# Altium PCB Coral Dev Board Micro.PcbDoc (part 2 of 6)
Units mm, origin at the board's own origin, x right, y up, seen from the top; angles counter-clockwise.
Board outline 65 x 30 mm, 8 copper layers (Top Layer, L2, L3, L4, L5, L6, L7, Bottom Layer), stack 1.582 mm thick; 356 components, 316 nets, 1515 pads, 809 vias.
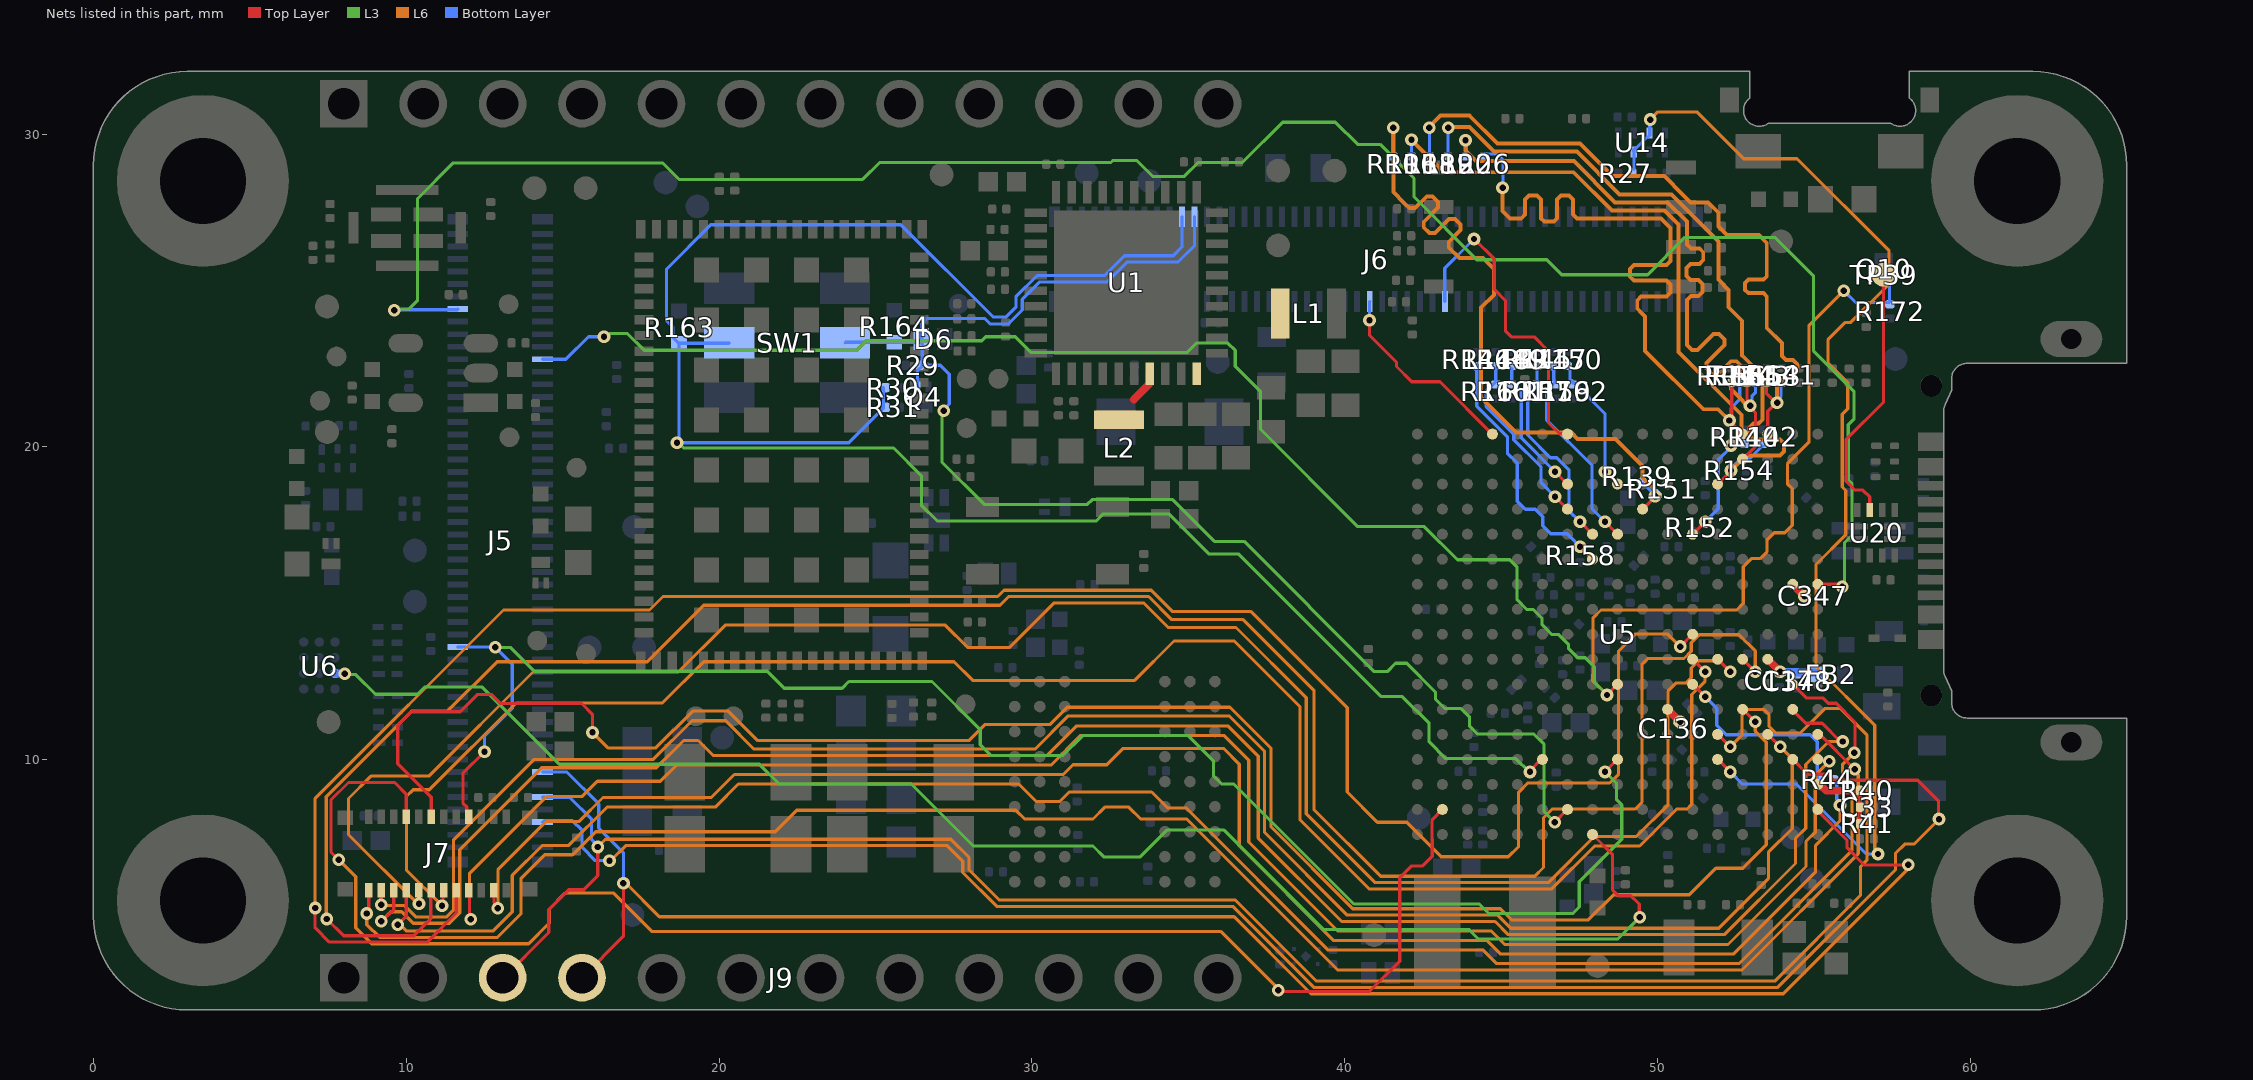
[diagram p8: the nets of this part, all layers, seen from the top]

## Footprints (in the part's own frame and the unit in brackets; to place one, negate y for a bottom-side part, rotate by r counter-clockwise, add the part's x,y. Pads: shape width x height; smd on the part's side, far side on the other; paste and mask are expansions set on the pad) (continued)
L0402_H0.55MM#2 [mm]
  rect 0.5x0.5 smd mask+0.05: 1(-0.45,0)
  rect 0.5x0.5 smd mask+0: 2(0.45,0)
  silkscreen extent -0.05,-0.25 0.05,0.25, body extent -0.53,-0.27 0.53,0.28, height 0.55
L0402_H0.55MM#3 [mm]
  rect 0.5x0.5 smd mask+0: 1(-0.45,0) 2(0.45,0)
  silkscreen extent -0.05,-0.25 0.05,0.25, body extent -0.53,-0.27 0.53,0.28, height 0.55
L2016_H1.0MM#1 [mm]
  rect 0.6x1.6 smd mask+0: 1(-0.9,0) 2(0.9,0)
  silkscreen extent -0.45,-0.89 0.4,0.93, body extent -1,-0.8 1,0.8, height 1
L2016_H1.0MM#2 [mm]
  rect 0.6x1.6 smd mask+0.05: 1(-0.9,0) 2(0.9,0)
  silkscreen extent -0.38,-0.97 0.42,0.97, body extent -1,-0.8 1,0.8, height 1
LED_0603_0.67mm#1 [mm]
  rect 0.8x0.8 smd mask+0.05: A(0.75,0) K(-0.75,0)
  silkscreen extent -1.42,-0.4 0.1,0.4, body extent -0.85,-0.4 0.85,0.4, height 0.67
LED_0603_0.67mm#2 [mm]
  rect 0.8x0.8 smd paste-0.8 mask+0.05: A(0.75,0) K(-0.75,0)
  silkscreen extent -1.42,-0.4 0.1,0.69, body extent -0.85,-0.4 0.85,0.4, height 0.67
LED_0603P_ORANGE [mm]
  rect 0.8x0.85 smd mask+0.05: 1(-0.7,0) 2(0.7,0)
  silkscreen extent -1.65,-0.4 0.1,0.4, body extent -0.81,-0.4 0.81,0.4, height 0.8
LED_0603P_WHITE [mm]
  rect 0.8x0.85 smd mask+0.05: 1(-0.7,0) 2(0.7,0)
  silkscreen extent -1.27,-0.4 0.1,0.4, body extent -0.81,-0.4 0.81,0.4, height 0.6
MIC_SPK0641HT4H-1 [mm]
  rect 0.45x0.95 smd mask+0.05: 1(-0.425,-0.675) 2(-0.425,0.675) 3(0.425,0.675) 4(0.425,-0.675)
  rect 1x0.325 smd paste-2 mask-0.05: 5(0,-1.713) 7(0,1.713)
  rect 0.325x2 smd paste-2 mask-0.05: 6(-1.212,0) 8(1.212,0)
  Top Layer region: -0.65,-1.875 -0.65,-1.652 -0.547,-1.551 0.551,-1.551 0.65,-1.65 0.65,-1.875
  Top Layer region: 0.65,1.875 0.65,1.652 0.547,1.551 -0.551,1.551 -0.65,1.65 -0.65,1.875
  Top Layer region: 1.375,1.15 1.15,1.15 1.05,1.05 1.05,-1.052 1.15,-1.15 1.375,-1.15
  Top Layer region: -1.375,-1.15 -1.15,-1.15 -1.05,-1.05 -1.05,1.052 -1.15,1.15 -1.375,1.15
  silkscreen extent -1.6,-2.1 1.6,2.1, body extent -1.51,-2 1.49,2, height 0.99
Molex_5037722410_HM01B0 [mm]
  rect 0.24x0.45 smd mask+0.05: 1(-2.2,1.175) 2(-1.8,1.175) 3(-1.4,1.175) 4(-1,1.175) 5(-0.6,1.175) 6(-0.2,1.175) 7(0.2,1.175) 8(0.6,1.175) 9(1,1.175) 10(1.4,1.175) 11(1.8,1.175) 12(2.2,1.175) 13(2.2,-1.175) 14(1.8,-1.175) 15(1.4,-1.175) 16(1,-1.175) 17(0.6,-1.175) 18(0.2,-1.175) 19(-0.2,-1.175) 20(-0.6,-1.175) 21(-1,-1.175) 22(-1.4,-1.175) 23(-1.8,-1.175) 24(-2.2,-1.175)
  rect 0.5x0.47 smd mask+0.05: MH1(-2.95,-1.145) MH2(-2.95,1.145) MH3(2.95,-1.145) MH4(2.95,1.145)
  Top Layer keep-out region: -2.375,0.22 -2.025,0.22 -2.025,0.75 -2.375,0.75
  Top Layer keep-out region: -1.975,0.22 -1.625,0.22 -1.625,0.75 -1.975,0.75
  Top Layer keep-out region: -1.175,0.22 -0.825,0.22 -0.825,0.75 -1.175,0.75
  Top Layer keep-out region: -1.575,0.22 -1.225,0.22 -1.225,0.75 -1.575,0.75
  Top Layer keep-out region: 0.025,0.22 0.375,0.22 0.375,0.75 0.025,0.75
  Top Layer keep-out region: 0.425,0.22 0.775,0.22 0.775,0.75 0.425,0.75
  Top Layer keep-out region: -0.375,0.22 -0.025,0.22 -0.025,0.75 -0.375,0.75
  Top Layer keep-out region: -0.775,0.22 -0.425,0.22 -0.425,0.75 -0.775,0.75
  Top Layer keep-out region: 0.825,0.22 1.175,0.22 1.175,0.75 0.825,0.75
  Top Layer keep-out region: 1.225,0.22 1.575,0.22 1.575,0.75 1.225,0.75
  Top Layer keep-out region: 2.025,0.22 2.375,0.22 2.375,0.75 2.025,0.75
  Top Layer keep-out region: 1.625,0.22 1.975,0.22 1.975,0.75 1.625,0.75
  Top Layer keep-out region: 1.625,-0.75 1.975,-0.75 1.975,-0.22 1.625,-0.22
  Top Layer keep-out region: 2.025,-0.75 2.375,-0.75 2.375,-0.22 2.025,-0.22
  Top Layer keep-out region: 1.225,-0.75 1.575,-0.75 1.575,-0.22 1.225,-0.22
  Top Layer keep-out region: 0.825,-0.75 1.175,-0.75 1.175,-0.22 0.825,-0.22
  Top Layer keep-out region: -0.775,-0.75 -0.425,-0.75 -0.425,-0.22 -0.775,-0.22
  Top Layer keep-out region: -0.375,-0.75 -0.025,-0.75 -0.025,-0.22 -0.375,-0.22
  Top Layer keep-out region: 0.425,-0.75 0.775,-0.75 0.775,-0.22 0.425,-0.22
  Top Layer keep-out region: 0.025,-0.75 0.375,-0.75 0.375,-0.22 0.025,-0.22
  Top Layer keep-out region: -1.575,-0.75 -1.225,-0.75 -1.225,-0.22 -1.575,-0.22
  Top Layer keep-out region: -1.175,-0.75 -0.825,-0.75 -0.825,-0.22 -1.175,-0.22
  Top Layer keep-out region: -1.975,-0.75 -1.625,-0.75 -1.625,-0.22 -1.975,-0.22
  Top Layer keep-out region: -2.375,-0.75 -2.025,-0.75 -2.025,-0.22 -2.375,-0.22
  silkscreen extent -3.6,-1.25 3.6,1.25, body extent -3.6,-1.25 3.6,1.25, height 0.64
QFN50P600X600X90-40-TP [mm]
  rect 0.71x0.27 smd mask+0.05: 1(-2.9,2.25) 2(-2.9,1.75) 3(-2.9,1.25) 4(-2.9,0.75) 5(-2.9,0.25) 6(-2.9,-0.25) 7(-2.9,-0.75) 8(-2.9,-1.25) 9(-2.9,-1.75) 10(-2.9,-2.25) 21(2.9,-2.25) 22(2.9,-1.75) 23(2.9,-1.25) 24(2.9,-0.75) 25(2.9,-0.25) 26(2.9,0.25) 27(2.9,0.75) 28(2.9,1.25) 29(2.9,1.75) 30(2.9,2.25)
  rect 0.27x0.71 smd mask+0.05: 11(-2.25,-2.9) 12(-1.75,-2.9) 13(-1.25,-2.9) 14(-0.75,-2.9) 15(-0.25,-2.9) 16(0.25,-2.9) 17(0.75,-2.9) 18(1.25,-2.9) 19(1.75,-2.9) 20(2.25,-2.9) 31(2.25,2.9) 32(1.75,2.9) 33(1.25,2.9) 34(0.75,2.9) 35(0.25,2.9) 36(-0.25,2.9) 37(-0.75,2.9) 38(-1.25,2.9) 39(-1.75,2.9) 40(-2.25,2.9)
  rect 4.62x4.62 smd mask+0.05: 41(0,0)
  silkscreen extent -3,-3 3,3.41, body extent -3.05,-3.05 3.05,3.05, height 0.9
QFN120_0P5_10X15 [mm] "QFN, 120-Leads, Body 10.00x15.00mm, Pitch 0.50mm"
  rect 0.3x0.6 smd mask+0.05: 1(-4.5,-6.9) 2(-4,-6.9) 3(-3.5,-6.9) 4(-3,-6.9) 5(-2.5,-6.9) 6(-2,-6.9) 7(-1.5,-6.9) 8(-1,-6.9) 9(-0.5,-6.9) 10(0,-6.9) 11(0.5,-6.9) 12(1,-6.9) 13(1.5,-6.9) 14(2,-6.9) 15(2.5,-6.9) 16(3,-6.9) 17(3.5,-6.9) 18(4,-6.9) 19(4.5,-6.9) 45(4.5,6.9) 46(4,6.9) 47(3.5,6.9) 48(3,6.9) 49(2.5,6.9) 50(2,6.9) 51(1.5,6.9) 52(1,6.9) 53(0.5,6.9) 54(0,6.9) 55(-0.5,6.9) 56(-1,6.9) 57(-1.5,6.9) 58(-2,6.9) 59(-2.5,6.9) 60(-3,6.9) 61(-3.5,6.9) 62(-4,6.9) 63(-4.5,6.9)
  rect 0.6x0.3 smd mask+0.05: 20(4.4,-6) 21(4.4,-5.5) 22(4.4,-5) 23(4.4,-4.5) 24(4.4,-4) 25(4.4,-3.5) 26(4.4,-3) 27(4.4,-2.5) 28(4.4,-2) 29(4.4,-1.5) 30(4.4,-1) 31(4.4,-0.5) 32(4.4,0) 33(4.4,0.5) 34(4.4,1) 35(4.4,1.5) 36(4.4,2) 37(4.4,2.5) 38(4.4,3) 39(4.4,3.5) 40(4.4,4) 41(4.4,4.5) 42(4.4,5) 43(4.4,5.5) 44(4.4,6) 64(-4.4,6) 65(-4.4,5.5) 66(-4.4,5) 67(-4.4,4.5) 68(-4.4,4) 69(-4.4,3.5) 70(-4.4,3) 71(-4.4,2.5) 72(-4.4,2) 73(-4.4,1.5) 74(-4.4,1) 75(-4.4,0.5) 76(-4.4,0) 77(-4.4,-0.5) 78(-4.4,-1) 79(-4.4,-1.5) 80(-4.4,-2) 81(-4.4,-2.5) 82(-4.4,-3) 83(-4.4,-3.5) 84(-4.4,-4) 85(-4.4,-4.5) 86(-4.4,-5) 87(-4.4,-5.5) 88(-4.4,-6)
  rect 0.8x0.8 smd mask+0.05: 89(-2.4,-5.6) 90(-0.8,-5.6) 91(0.8,-5.6) 92(2.4,-5.6) 93(2.4,-4) 94(2.4,-2.4) 95(2.4,-0.8) 96(2.4,0.8) 97(2.4,2.4) 98(2.4,4) 99(2.4,5.6) 100(0.8,5.6) 101(-0.8,5.6) 102(-2.4,5.6) 103(-2.4,4) 104(-2.4,2.4) 105(-2.4,0.8) 106(-2.4,-0.8) 107(-2.4,-2.4) 108(-2.4,-4) 109(-0.8,-4) 110(0.8,-4) 111(0.8,-2.4) 112(0.8,-0.8) 113(0.8,0.8) 114(0.8,2.4) 115(0.8,4) 116(-0.8,4) 117(-0.8,2.4) 118(-0.8,0.8) 119(-0.8,-0.8) 120(-0.8,-2.4)
  silkscreen extent -5.76,-7.65 5.15,7.65, body extent -4.99,-7.5 5.01,7.5, height 1.5
R0201_MOD [mm] "Chip Resistor, 2-Leads, Body 0.6x0.3mm, IPC High Density"
  rrect50% 0.26x0.3 smd mask+0.05: 1(-0.225,0) 2(0.225,0)
  body extent -0.31,-0.17 0.32,0.17, height 0.25
R0402#1 [mm]
  rect 0.475x0.5 smd mask+0.05: 1(-0.513,0) 2(0.513,0)
  silkscreen extent -0.1,-0.28 0.1,0.28, body extent -0.5,-0.25 0.5,0.25, height 0.35
R0402#2 [mm] "Chip Resistor, 2-Leads, Body 1.0x0.5mm, IPC High Density"
  rect 0.475x0.5 smd mask+0: 1(-0.513,0)
  rect 0.475x0.5 smd mask+0.05: 2(0.513,0)
  silkscreen extent -0.1,-0.25 0.1,0.25, body extent -0.5,-0.25 0.5,0.25, height 0.35
R0603 [mm] "Chip Resistor, 2-Leads, Body 1.6x0.8mm, IPC High Density"
  rect 0.65x0.9 smd mask+0: 1(-0.725,0) 2(0.725,0)
  silkscreen extent -0.23,-0.4 0.23,0.4, body extent -0.8,-0.4 0.8,0.4, height 0.45
R0805 [mm]
  rect 1.15x1.15 smd mask+0: 1(-1.175,0) 2(1.175,0)
  silkscreen extent -0.4,-0.6 0.4,0.6, body extent -1,-0.62 1,0.63, height 0.6
R1206 [mm] "Chip Resistor, 2-Leads, Body 3.1x1.6mm, IPC High Density"
  rect 1.25x1.5 smd mask+0: 1(-1.725,0) 2(1.725,0)
  silkscreen extent -0.92,-0.8 0.92,0.8, body extent -1.6,-0.8 1.6,0.8, height 0.6
SDFN80X80X40-5 [mm]
  rect 0.12x0.12 smd mask+0.05: 1(-0.24,-0.4) 2(0.24,-0.38) 3(0.23,0.39) 4(-0.24,0.38)
  rect 0.25x0.25 smd rot 45 mask+0.05: 5(0,0)
  Top Layer region: 0.35,-0.5 0.13,-0.5 0.13,-0.34 0.35,-0.12
  Top Layer region: -0.35,-0.18 -0.29,-0.18 -0.13,-0.34 -0.13,-0.5 -0.35,-0.5
  Top Layer region: -0.35,0.5 -0.13,0.5 -0.13,0.34 -0.35,0.12
  Top Layer region: 0.35,0.12 0.13,0.34 0.13,0.5 0.35,0.5
  silkscreen extent -0.6,-0.4 0.58,0.4, body extent -0.4,-0.4 0.4,0.4, height 0.38
SOD123_AK [mm]
  rect 0.85x1.2 smd mask+0: A(1.525,0) K(-1.525,0)
  silkscreen extent -1.95,-0.85 1.35,0.98, body extent -1.85,-0.77 1.85,0.78, height 1.26
SOD1060X40 [mm]
  rect 0.36x0.25 smd mask+0.05: A(0.42,0) K(-0.42,0)
  silkscreen extent -0.8,-0.33 0.43,0.33, body extent -0.43,-0.33 0.43,0.33, height 0.4
SON8_0P5_1L95x1W [mm] "SON, 8-Leads, Body 1.95x1.00mm, Pitch 0.50mm, IPC Medium Density"
  rect 0.4x0.2 smd mask+0.05: 1(-0.275,0.75)
  rect 0.35x0.2 smd mask+0.05: 2(-0.3,0.25) 3(-0.3,-0.25) 4(-0.3,-0.75) 5(0.3,-0.75) 6(0.3,-0.25) 7(0.3,0.25) 8(0.3,0.75)
  silkscreen extent -0.74,1.01 -0.64,1.11, body extent -0.53,-0.95 0.53,0.95, height 0.5
SON50P145X100X50-6 [mm]
  rrect50% 0.35x0.2 smd mask+0.05: 1(-0.275,0.5)
  rrect50% 0.3x0.2 smd mask+0.05: 2(-0.3,0) 3(-0.3,-0.5) 4(0.3,-0.5) 5(0.3,0) 6(0.3,0.5)
  silkscreen extent -0.5,-0.78 0.5,0.78, body extent -0.5,-0.73 0.5,0.72, height 0.46
SON50P145X100X60-6 [mm]
  rrect50% 0.35x0.2 smd mask+0.05: 1(-0.275,0.5)
  rrect50% 0.3x0.2 smd mask+0.05: 2(-0.3,0) 3(-0.3,-0.5) 4(0.3,-0.5) 5(0.3,0) 6(0.3,0.5)
  silkscreen extent -0.5,-0.78 0.5,0.78, body extent -0.5,-0.72 0.5,0.73, height 0.58
SWITCH_CAS-D20TA [mm]
  rect 1.6x1 smd mask+0.05: 1(-1.85,1.75) 2(-1.85,0) 4(1.85,1.75) 5(1.85,0)
  rect 1.6x1 smd mask+0: 3(-1.85,-1.75) 6(1.85,-1.75)
  silkscreen extent -1.95,-2.7 1.95,2.7, body extent -2.1,-2.7 2.1,2.7, height 2.5
SWITCH_TAH1QR [mm]
  rect 1.05x0.65 smd mask+0.05: 1(-2.075,1.075) 2(2.075,1.075) 3(-2.075,-1.075) 4(2.075,-1.075)
  silkscreen extent -2.1,-1.6 2.1,1.6, body extent -2.29,-1.6 2.29,1.6, height 2.48
SWITCH_TL4100AF120QG [mm]
  rect 1.45x1.1 smd mask+0.05: 1(-2.275,0.825) 2(2.275,0.825)
  rect 0.6x0.8 smd mask+0.05: SH(-3.2,-0.825) SH(3.2,-0.825)
  silkscreen extent -3.1,-0.23 3.1,1.23, body extent -3.1,-1.73 3.1,1.29, height 1.42
TDFN120X160X60-4-TP [mm]
  rect 0.55x0.3 smd mask+0.04: 1(-0.725,0.25) 2(-0.725,-0.25) 3(0.725,-0.25) 4(0.725,0.25)
  rect 0.5x0.86 smd paste-0.87 mask+0.04: 5(0,0)
  silkscreen extent -1.52,-0.8 0.8,0.8, body extent -0.8,-0.6 0.8,0.6, height 0.6
TESTPAD_SMT_25MIL#1 [mm]
  round 0.635 smd paste-0.635 mask+0: 1(0,0)
TESTPAD_SMT_25MIL#2 [mm]
  round 0.635 smd paste-0.635 mask+0.05: 1(0,0)
TESTPAD_SMT_30MIL#1 [mil]
  round 30 smd paste-30 mask+1.97: 1(0,0)
TESTPAD_SMT_30MIL#2 [mil]
  round 30 smd paste-30 mask+0: 1(0,0)
TESTPAD_SMT_30MIL#3 [mil]
  round 30 smd paste-30 mask+2: 1(0,0)
UDFN800X600X65-8 [mm]
  rect 0.95x0.45 smd mask+0.05: 1(-3.875,1.905) 2(-3.875,0.635) 3(-3.875,-0.635) 4(-3.875,-1.905) 5(3.875,-1.905) 6(3.875,-0.635) 7(3.875,0.635) 8(3.875,1.905)
  silkscreen extent -4,-2.87 4,2.83, body extent -4,-3 4,3, height 0.65
X2QFN12_1.6X1.6MMM [mm]
  rect 0.7x0.2 smd paste-0.02 mask+0.05: 1(-0.6,0.2) 2(-0.6,-0.2) 7(0.6,-0.2) 8(0.6,0.2)
  rect 0.2x0.45 smd paste-0.02 mask+0.05: 3(-0.6,-0.725) 4(-0.2,-0.725) 5(0.2,-0.725) 6(0.6,-0.725) 9(0.6,0.725) 10(0.2,0.725) 11(-0.2,0.725) 12(-0.6,0.725)
  silkscreen extent -1.02,-0.89 1.02,0.89, body extent -0.8,-0.8 0.8,0.8, height 0.4
XTAL_EPSON_ADUCM355BCCZ [mm]
  rect 1x1.8 smd mask+0.05: 1(-1.25,0) 2(1.25,0)
  Top Layer keep-out region: -0.623,-0.9 0.623,-0.9 0.623,0.9 -0.623,0.9
  silkscreen extent -0.51,-0.75 0.51,0.75, body extent -1.6,-0.75 1.6,0.75, height 0.9
XTAL_MURATA_XRCGB24M000F1H01R0 [mm]
  rect 0.75x0.7 smd mask+0.05: 1(-0.675,-0.5) 2(0.675,-0.5) 3(0.675,0.5) 4(-0.675,0.5)
  silkscreen extent -0.13,-0.8 0.13,0.8, body extent -1,-0.8 1,0.8, height 0.7

## Part data
C1 C13 C14 C15 C57 C124 C239 C242 C254 C256 C258 C265 C276 C285 C293 C296 C327 C347: library part 1761, "CAP, CER, X5R, 2.2uF, 20%, 6.3V, 0201, 0.39mm", Dielectric=X5R, Package=0201, Supplier Part Number 1=311-3473-1-ND, Tolerance=20%, Voltage=6.3V, ComponentLink1Description=Datasheet, ComponentLink1URL=http://www.yageo.com/documents/recent/UPY-GPHC_X5R_4V-to-50V_25.pdf, EPIC=G150-01316-00, Height=0.39mm, HelpURL=https://www.digikey.com/product-detail/en/yageo/CC0201MRX5R5BB225/311-3473-1-ND/7164494, ID=1761, MFG=YAGEO, MFG P/N=CC0201MRX5R5BB225, Status="In Development", Supplier 1=Digi-Key
C2 C3 C32: library part 26, "CAP, CER, X5R, 1uF, 10V, 10%, 0402, AUTOGRADE", Dielectric=X5R, Package=0402, Supplier Part Number 1=587-3712-1-ND, Tolerance=10%, Voltage=10V, COMMON=150-01126-00, ComponentLink1Description=Datasheet, Gecko=150-04432-00, Height=0.55mm, ID=26, MFG="Taiyo Yuden", MFG P/N=LMK105BJ105KVHF, PROXY="Use ID #574", Status=Released, Supplier 1=Digi-Key, XPN=150-01126-00
C4 C5 C6 C7 C8 C9 C38 C42 C45 C87 C91: library part 108, "CAP, CER, X5R, 22uF, 20%, 10V, 0603", Dielectric=X5R, Package=0603, Tolerance=20%, Voltage=10V, COMMON=150-00202-00, ComponentLink1Description=Datasheet, Height=1mm, ID=108, MFG=TDK, MFG P/N=C1608X5R1A226M080AC, PROXY="Use ID #452", Status=Released, XPN=150-00202-00
C10 C11 C61 C63 C118 C294 C297: library part 1719, "CAP, CER, X5R, 22uF, 20%, 6.3V, 0402", Dielectric=X5R, Package=0402, Supplier Part Number 1=478-9839-1-ND, Tolerance=20%, Voltage=6.3V, COMMON=150-00420-00, ComponentLink1Description=Datasheet, ComponentLink1URL=http://datasheets.avx.com/cx5r.pdf, Gecko=150-00420-00, Height=0.70mm, HelpURL=https://www.digikey.in/product-detail/en/avx-corporation/04026D226MAT2A/478-9839-1-ND/5964924, ID=1719, LOON=150-00420-00, MFG=AVX, MFG P/N=04026D226MAT2A, PROXY=150-03491-00, Status=Released, Supplier 1=Digi-Key, XPN=150-00420-00
C12 C17 C18 C20 C21 C82 C88 C92 C117 C119 C244 C251 C252 C257 C264 C266 C270 C272 C302: library part 1771, "CAP, CER, X6S, 1uF, 20%, 6.3V, 0201, 0.39mm", Dielectric=X6S, Package=0201, Supplier Part Number 1=490-13218-1-ND, Tolerance=20%, Voltage=6.3V, ComponentLink1Description=Datasheet, ComponentLink1URL=https://psearch.en.murata.com/capacitor/product/GRM033C80J105ME05%23.pdf, EPIC=G150-02531-00, Height=0.39mm, HelpURL=https://www.digikey.com/product-detail/en/murata-electronics-north-america/GRM033C80J105ME05D/490-13218-1-ND/5877426, ID=1771, MFG=MURATA, MFG P/N=GRM033C80J105ME05D, Status="In Development", Supplier 1=Digi-Key
C16 C107 C286: library part 983, "CAP, CER, X5R, 0.22uF, 6.3V, 10%, 0201, 0.33mm T", Dielectric=X5R, Package=0201, Tolerance=10%, Voltage=6.3V, COMMON=150-00425-00, ComponentLink1Description=Datasheet, Height="0.33mm T", ID=983, MFG=TDK, MFG P/N=C0603X5R0J224K030BB, Status=NRND, XPN=150-00425-00
C19 C22 C23 C24 C25 C26 C27 C28 C30 C37 C67 C79 C80 C81 C83 C84 C90 C93 C94 C95 C96 C97 C98 C102 C115 C136 C223 C233 C234 C245 C267 C268 C269 C273 C279 C280 C287 C303 C304 C305: library part 386, "CAP, CER, X5R, 0.1uF, 25V, 20%, 0201, 0.33mm T", Dielectric=X5R, Package=0201, Tolerance=20%, Voltage=25V, COMMON=150-01204-00, ComponentLink1Description=Datasheet, Gecko=150-01204-00, Height="0.33mm T", ID=386, LOON=150-01204-00, MFG=MURATA, MFG P/N=GRM033R61E104ME14D, Status=Released, XPN=150-01204-00
C29 C31 C35 C74 C138: library part 215, "CAP, CER, X5R, 10uF, 10V, 20%, 0402, 0.7mm T", Dielectric=X5R, Package=0402, Tolerance=20%, Voltage=10V, COMMON=150-00376-00, ComponentLink1Description=Datasheet, EES=150-04565-00, Gecko=150-00376-00, Height="0.7mm T", ID=215, LOON=150-00376-00, MFG=SAMSUNG, MFG P/N=CL05A106MP5NUNC, PROXY="Use ID #1342", Status=Released, XPN=150-00376-00
C33 C62 C85 C224 C235 C241 C260 C261 C277 C290 C300 C345 C348: library part 1199, "CAP, CER, X5R, 4.7uF, 20%, 6.3V, 0201", Dielectric=X5R, Package=0201, Tolerance=20%, Voltage=6.3V, COMMON=150-01224-00, ComponentLink1Description=Datasheet, Gecko=150-01224-00, Height="0.33mm T", ID=1199, LOON=150-01224-00, MFG=MURATA, MFG P/N=GRM035R60J475ME15D, PROXY=150-03477-00, Status=Released, XPN=150-01224-00
C34: library part 614, "CAP, CER, NP0, 10pF, 25V, 5%, 0201, 0.33mm T", Dielectric=NP0, Package=0201, Tolerance=5%, Voltage=25V, COMMON=150-00028-00, ComponentLink1Description=Datasheet, EPIC=G150-00028-00, Gecko=150-00028-00, Height="0.33mm T", ID=614, LOON=150-00028-00, MFG=MURATA, MFG P/N="OBS: GRM0335C1E100JD01D", Status=Released, XPN=150-00028-00
C36: library part 799, "CAP, CER, X6S, 0.047uF, 16V, 10%, 0201, 0.33mm T", Dielectric=X6S, Package=0201, Tolerance=10%, Voltage=16V, COMMON=150-00153-00, ComponentLink1Description=Datasheet, Height="0.33mm T", ID=799, MFG=TDK, MFG P/N=C0603X6S1C473K030BC, Status=NRND, XPN=150-00153-00
C39 C40 C41 C46: library part 1051, "CAP, CER, X5R, 100UF, 6.3V, 20%, 1206", Dielectric=X5R, Package=1206, Tolerance=20%, Voltage=6.3V, COMMON=150-00520-00, ComponentLink1Description=Datasheet, DNP=DNP, Height="1.9mm T", ID=1051, MFG=MURATA, MFG P/N=GRM31CR60J107ME39L, PROXY=150-04679-00, Status=Obsolete, XPN=150-00520-00
C43 C44: library part 392, "CAP, CER, X5R, 22uF, 20%, 10V, 0603", Dielectric=X5R, Package=0603, Tolerance=20%, Voltage=10V, COMMON=150-00202-00, ComponentLink1Description=Datasheet, DNP=DNP, Height="0.9mm T", ID=392, MFG=SAMSUNG, MFG P/N=CL10A226MP8NUNE, PROXY="Use ID #452", Status=Released, XPN=150-00202-00
C109 C110: library part 461, "CAP, CER, C0G, 18pF, 50V, 2%, 0201, 0.33mm T", Dielectric=NP0, Package=0201, Tolerance=2%, Voltage=50V, COMMON=150-01391-00, ComponentLink1Description=Datasheet, Gecko=150-01391-00, Height="0.33mm T", ID=461, LOON=150-01391-00, MFG=MURATA, MFG P/N=GRM0335C1H180GA01D, Status=Released, XPN=XS-10001161
C316 C317: library part 49, "CAP, CER, NP0, 10pf, 50V, 5%, 0201, 0.33mm T", Dielectric=NP0, Package=0201, Tolerance=5%, Voltage=50V, COMMON=150-00985-00, ComponentLink1Description=Datasheet, Height="0.33mm T", ID=49, MFG=MURATA, MFG P/N=GRM0335C1H100JA01J, Status=Released, XPN=150-00985-00
D1 D2 D3 D5 D6: library part 353, "DIODE, SCHOTTKY, 40V VRRM, 30mA IO, 500mA SURGE, 0402", Current - Average Rectified (IO)=30mA, Current - Reverse Leakage @ VR="1 µA @ 40 V", Operating Temperature – Junction="125°C (Max)", Package=0402, Supplier Part Number 1=641-1978-2-ND, Voltage - DC Reverse (VR) (MAX)=40V, Voltage – Forward (VF) (MAX) @ IF="370 mV @ 1 mA", Category=DIODE, ComponentLink1Description=Datasheet, ComponentLink1URL=https://www.comchiptech.com/admin/files/product/QW-G1106%20CDBQR00340-HF%20RevB.pdf, Diode Type=Schottky, Height=0.55mm, HelpURL=https://www.digikey.com/en/products/detail/comchip-technology/CDBQR00340-HF/3308478?s=N4IgTCBcDaIMIBEBCBFASgBgwZgCwYFoAJAMRAF0BfIA, ID=353, MFG="Comchip Technology", MFG P/N=CDBQR00340-HF, Mounting Type=SMD, RoHS Compliant=Yes, Status=Released, Supplier 1=Digi-Key
D4: library part 348, "DIODE, SCHOTTKY, 20V VRRM, 2A IO, 45A SURGE, SOD-123F", Current - Average Rectified (IO)=2A, Current - Reverse Leakage @ VR="600 µA @ 20 V", Operating Temperature – Junction=125°C, Package=SOD-123F, Supplier Part Number 1=846-RBS2MM40CTR-ND, Voltage - DC Reverse (VR) (MAX)=20V, Voltage – Forward (VF) (MAX) @ IF="390 mV @ 2 A", Category=DIODE, ComponentLink1Description=Datasheet, ComponentLink1URL=https://fscdn.rohm.com/en/products/databook/datasheet/discrete/diode/schottky_barrier/rbs2mm40ctr-e.pdf, Diode Type=Schottky, Height=0.9mm, HelpURL=https://www.digikey.com/en/products/detail/rohm-semiconductor/RBS2MM40CTR/13547997?s=N4IgTCBcDaIEoCEDKYCyqAsAGAwgFThAF0BfIA, ID=348, MFG="Rohm Semiconductor", MFG P/N=RBS2MM40CTR, Mounting Type=SMD, RoHS Compliant=Yes, Status=Released, Supplier 1=Digi-Key
D31: library part 192, "TVS, DIODE, UNIDIR, 3.3VRWM, 4.8VBR, 7.8VCL, SOD-923", Operating Temperature – Junction="-55°C ~ 125°C (TJ)", Package=SOD-923, Supplier Part Number 1=ESD9R3.3ST5GOSCT-ND, Voltage - Clamping (Max) @ Ipp=7.8V, Category=Diode, ComponentLink1Description=Datasheet, ComponentLink1URL=http://www.onsemi.com/pub/Collateral/ESD9R3.3S-D.PDF, Diode Type=Zener, Height=0.4mm, HelpURL=https://www.digikey.in/product-detail/en/on-semiconductor/ESD9R3.3ST5G/ESD9R3.3ST5GOSCT-ND/2704997, ID=192, LOON=430-00045-00, MFG="ON Semiconductor", MFG P/N=ESD9R3.3ST5G, Mounting Type=SMD, PROXY=480-01364-00, RoHS Compliant=Yes, Status=Released, Supplier 1=Digi-Key
ESD1 ESD2: library part "DIODE BI-DIR TRIG", "DIODE TVS 15kV 10V 50A 8pF SMT RoHS", MPN=DESD5V0V1BCSP-7, Function Code=USB, QCI MPN=DESD5V0V1BCSP-7, QCI Supplier=DDS, QPN=BC5V0V1BZ02, QPN Description="DIODE ESD SMD DESD5V0V1BCSP-7 6V,DSN0603"
FB1 FB2 FB3 FB4 FB5 FB6: library part 913, "FERRITE, BEAD, 120 OHMS@100MHZ, 25%, 550mA, 190 mOHM DCR, 0402", Package=0402, Supplier Part Number 1=490-1005-1-ND, Catagory="Ferrite Bead", ComponentLink1Description=Datasheet, ComponentLink1URL=https://www.murata.com/en-us/products/productdata/8796740059166/ENFA0018.pdf, Height=0.55mm, HelpURL=https://www.digikey.com/product-detail/en/murata-electronics/BLM15AG121SN1D/490-1005-1-ND/584453, ID=913, Idc max=550mA, MFG="Murata Electronics", MFG P/N=BLM15AG121SN1D, Rdc max=190mOhm, Status=Released, Supplier 1=Digi-Key
J5 J6: library part 897, "CONN, HDR, VERT, 2x50, 0.4MM P, 1.14MM H, GOLD, SMD", Supplier Part Number 1=H11614CT-ND, ComponentLink1Description=Datasheet, ComponentLink1URL=https://www.hirose.com/product/download/?distributor=digikey&type=2d&lang=en&num=DF40C-100DP-0.4V(51), Connector Type="Plug, Outer Shroud Contacts", Features="Solder Retention", Gender=Male, HelpURL=https://www.digikey.com/product-detail/en/hirose-electric-co-ltd/DF40C-100DP-0.4V-51/H11614CT-ND/1969494, ID=897, MFG="Hirose Electric Co Ltd", MFG P/N=DF40C-100DP-0.4V(51), Mounting Type="Surface Mount", Number of Positions=100, Number of Rows=2, Orientation=Vertical, Pitch=0.40mm, RoHS Compliant=Yes, Status=Released, Supplier 1=Digi-Key
J7: "HM01B0, CONN, RCPT, OUTER SHROUD, 2x12 PIN, 0.4MM P, 0.65MM H, GOLD, SM", Supplier Part Number 1=WM6251CT-ND, ComponentLink1Description=Datasheet, ComponentLink1URL=https://www.molex.com/pdm_docs/sd/5037722410_sd.pdf, ComponentLink2Description="HMB01B0 Datasheet", ComponentLink2URL=https://drive.google.com/a/google.com/file/d/1hz92MYY5mTVHUf_ZbvAIbaEPUMPymuL2/view?usp=sharing, Connector Type=Receptacle, Features="Outer Shroud Contacts", Gender=Receptacle, Height=0.76mm, HelpURL=https://www.digikey.com/product-detail/en/molex/5037722410/WM6251CT-ND/2794320, ID=1087, MFG=Molex, MFG P/N="Parallel Cam", Mounting Type="Surface Mount", Number of Positions=24, Number of Rows=2, Orientation=Vertical, Pitch=0.4mm, RoHS Compliant=Yes, Row Spacing=2.35mm, Status=Released, Supplier 1=Digi-Key
J8: library part 1283, "CONN, USB-C, RCPT, RA, USB 2.0, 16 P, 0.5MM PITCH, GOLD, SMT", Current Rating=3A, Operating Temperature="-30°C ~ 85°C", Voltage, Rated=100VAC, ComponentLink1Description=Datasheet, ComponentLink1URL=https://drive.google.com/corp/drive/folders/1cT-VNuTRhR0OJylJtjEkdbP9sP_ssI5q, Height=2.71mm, ID=1283, MFG="EDAC Inc", MFG P/N=698B116W26A-661, Mounting Type="Surface Mount", Number of Positions=12, Number of Rows=1, Orientation="Right Angle", RoHS Compliant=Yes, Status=Released, Sub Assy Qty 2=0, Sub Assy Qty 3=0, Sub Assy Qty 4=0
J9 J10: library part 366, "CONN, HDR, TH, STR, 1X12, 2.54mmP", COMMON=210-00118-00, Gecko=210-00118-00, ID=366, LOON=210-00118-00, MFG=SULLINS, MFG P/N=PBC12SAAN, RoHS Compliant=Yes, Status=Released, XPN=210-00118-00
L1 L2: library part 881, "IND, PWR, FILM, 1uH, 20%, 3.9A Isat, 3.1A Idc, 0.056 DCR, 2016m, 1.00mm", L Test Freq=1MHz, Package=0806, Supplier Part Number 1=445-174185-1-ND, Tolerance=20, Catagory="Fixed Inductors", ComponentLink1Description=Datasheet, ComponentLink1URL=https://product.tdk.com/info/en/catalog/datasheets/inductor_commercial_power_tfm201610alm_en.pdf, EPIC=G180-01867-00, HelpURL=https://www.digikey.com/product-detail/en/tdk-corporation/TFM201610ALM-1R0MTAA/445-174185-1-ND/5812325, ID=881, Isat=3.9A, MFG=TDK, MFG P/N=TFM201610ALM-1R0MTAA, Rdc max="56mOhm Max", Status="In Development", Supplier 1=Digi-Key
L7: library part IND_CMC_DLW21, "IND CHK 90 OHM@100MHZ 330MA 25% 0805", Supplier Part Number 1=490-1064-1-ND, Function Code=DBG, MPN=DLW21HN900SQ2L, QCI MPN=DLW21HN900SQ2L, QCI Supplier=MUR, QPN=CX1HN900000, QPN Description="EMI FILTER DLW21HN900SQ2L(90,330MA)", Supplier 1=Digi-Key
L15: library part 946, "IND, WIREWOUND, SEMI-SHIELDED, 4.7uH, 1.55A, 20%, DCR 0.091, SMD", Package=SMD, Supplier Part Number 1=732-7226-2-ND, Tolerance=20%, Catagory="Fixed Inductors", ComponentLink1Description=Datasheet, ComponentLink1URL=https://www.we-online.de/katalog/datasheet/74404041047.pdf, Height=1.20mm, HelpURL=https://www.digikey.com/en/products/detail/w%C3%BCrth-elektronik/74404041047/5353045?s=N4IgTCBcDaIOwBYEAYUIIyriAugXyA, ID=946, Idc max=1.55A, MFG="Würth Elektronik", MFG P/N=74404041047, Status=Released, Supplier 1=Digi-Key
LED2 LED3: library part 197, "LED, GREEN, 570nm, 25mA, DIFFUSED, 0603", Color / Wavelength=GREEN, Package="0603 (1608 Metric)", Supplier Part Number 1=475-2709-1-ND, Voltage – Forward (VF) (MAX) @ IF=1.7V, Category=LED, COMMON=370-00021-00, ComponentLink1Description=Datasheet, ComponentLink1URL=https://dammedia.osram.info/media/resource/hires/osram-dam-2493945/LG%20L29K.pdf, Diode Type=LED, HelpURL=https://www.digikey.in/product-detail/en/osram-opto-semiconductors-inc/LG-L29K-G2J1-24-Z/475-2709-1-ND/1938876, ID=197, LOON=370-00021-00, MFG="OSRAM Opto Semiconductors Inc.", MFG P/N="LG L29K-G2J1-24-Z", Mounting Type=SMD, PROXY=370-00433-00, RoHS Compliant=Yes, Status="In Development", Supplier 1=Digi-Key
LED4: library part 61, "LED, ORANGE, 610NM, WATER CLEAR, GAP, 0603", Color / Wavelength=ORANGE, Current - Average Rectified (IO)=10mA, Operating Temperature – Junction="-40°C ~ 85°C", Package=0603, Supplier Part Number 1=160-1180-1-ND, Voltage – Forward (VF) (MAX) @ IF=2.1V, Category=Diode, ComponentLink1Description=Datasheet, ComponentLink1URL=http://media.digikey.com/pdf/Data%20Sheets/Lite-On%20PDFs/LTST-C190AKT.pdf, Diode Type=LED, Gecko=370-00585-00, HelpURL=http://media.digikey.com/pdf/Data%20Sheets/Lite-On%20PDFs/LTST-C190AKT.pdf, ID=61, MFG="Lite-On Technology Corp", MFG P/N=LTST-C190AKT, Mounting Type=SM, Orbital=370-00646-00, PROXY=246-00083-00, Status=Released, Supplier 1=Digi-Key, XPN=XS-10006042
LED5: library part 69, "LED, WHITE, 0603, SMD", Color / Wavelength=WHITE, Current - Average Rectified (IO)=5mA, Operating Temperature – Junction="-20°C ~ +80°C", Package="0603 (1608 Metric)", Supplier Part Number 1=160-1721-1-ND, Voltage – Forward (VF) (MAX) @ IF=2.93V, Category=Diode, COMMON=246-00092-00, ComponentLink1Description=Datasheet, ComponentLink1URL=http://optoelectronics.liteon.com/upload/download/DS22-2004-203/S_110_LTW-C193TS5.pdf, Diode Type=LED, Gecko=246-00092-00, HelpURL=http://optoelectronics.liteon.com/upload/download/DS22-2004-203/S_110_LTW-C193TS5.pdf, ID=69, KOI=370-00551-00, LOON=246-00092-00, MFG="Lite-On Technology Corp", MFG P/N=LTW-C193TS5, Mounting Type=SM, Status=Released, Supplier 1=Digi-Key, XPN=XS-10006051
Q1 Q2 Q3 Q4 Q10: library part 24, "MOSFET, N-CH, 30V, 0.55A, DMN3900", Current - Continuios Drain (ID) @ 25° C=550mA, Input Capacitance (CISS) @ VDS="42.2pF @ 25V", Package=3-XFDFN, Power - Max=390mW, Supplier Part Number 1=DMN3900UFA-7BCT-ND, Voltage - Drain To Source (VDSS)=30V, Category="Discrete Semiconductor Products", COMMON=480-00750-00, ComponentLink1Description=Datasheet, ComponentLink1URL=http://www.diodes.com/datasheets/DMN3900UFA.pdf, EES=480-01751-00, FET Feature="Logic Level Gate", FET Type="MOSFET N-Channel, Metal Oxide", Gate Charge (QG) @ VGS="0.7nC @ 4.5V", HelpURL=http://www.diodes.com/datasheets/DMN3900UFA.pdf, ID=24, MFG="Diodes Incorporated", MFG P/N=DMN3900UFA-7B, Mounting Type=SM, RDS On (Max) @ ID, VGS="760 mOhm @ 200mA, 4.5V", RoHS Compliant=Yes, Status=Released, Supplier 1=Digi-Key, VGS(TH) (Max) @ ID="950mV @ 250µA", XPN=XS-10020699
R1: library part 5, "RES, 0, 5%, 1/4W, 1206", Package=1206, Power=1/4W, Supplier Part Number 1=RHM0.0ECT-ND, Tolerance=5%, COMMON=470-03592-00, Gecko=470-03592-00, Height=0.65mm, ID=5, LOON=470-03592-00, MFG=ROHM, MFG P/N=MCR18EZHJ000, PROXY=470-16245-00, Status=NRND, Supplier 1=Digi-Key, XPN=XS-10014547
R2 R3: library part 191, "Resistor, 10.0m Ohms, 0603, 0.1W, ±1%", Package=0603, Power=1/10W, Supplier Part Number 1=WSLJ-.01CT-ND, Tolerance=1%, COMMON=470-00380-00, Gecko=470-00380-00, Height=0.46mm, ID=191, LOON=470-00380-00, MFG=VISHAY, MFG P/N=WSL0603R0100FEA, Status=Released, Supplier 1=Digi-Key, XPN=470-00380-00
R4 R23 R24 R72 R95 R116 R125 R129 R136 R215 R373 R374: library part 4151, "RES, 10K, 1%, 1/20W, 0201", Package=0201, Power=1/20W, Supplier Part Number 1=311-10.0KMCT-ND, Tolerance=1%, COMMON=470-00033-00, Gecko=470-00033-00, Height=0.26mm, ID=4151, LOON=470-00033-00, MFG=YAGEO, MFG P/N=RC0201FR-0710KL, PROXY=470-16076-00, Status=Released, Supplier 1=Digi-Key, XPN=470-00033-00
  R116 R125: DNP=DNP
R5: library part 5211, "Resistor, 200K Ohms, 0201, 0.05W, ±1%", Package=0201, Power=1/20W, Supplier Part Number 1=541-200KAABCT-ND, Tolerance=1%, COMMON=470-00808-00, Gecko=470-00808-00, Height=0.28mm, ID=5211, LOON=470-00808-00, MFG=VISHAY, MFG P/N=CRCW0201200KFKED, Status=Released, Supplier 1=Digi-Key, XPN=470-00808-00
R6: library part 2114, "RES, 49.9, 1%, 1/20W, 0201", Package=0201, Power=1/20W, Supplier Part Number 1=P49.9ABCT-ND, Tolerance=1%, COMMON=470-00007-00, Height=0.26mm, ID=2114, MFG=PANASONIC, MFG P/N=ERJ-1GEF49R9C, PROXY="Alt ID #6310", Status=NRND, Supplier 1=Digi-Key, XPN=470-00007-00
R7 R13 R17 R27 R166 R167 R172 R1821: library part 7818, "RES, 100K, 1%, 1/20W, 0201", Package=0201, Power=1/20W, Tolerance=1%, COMMON=470-00506-00, Gecko=470-00506-00, ID=7818, LOON=470-00506-00, MFG=PANASONIC, MFG P/N=ERJ1GEF1003C, Status=NRND, XPN=470-00506-00
R8 R15: library part 6701, "RES, 0, JUMPER, 1/8W, 0603", Package=0603, Power=1/8W, Tolerance=JUMPER, COMMON=470-02384-00, Gecko=470-17718-00, ID=6701, LOON=470-02384-00, MFG=VISHAY, MFG P/N=MCT06030Z0000ZP500, PROXY=470-16006-00, Status=Released, XPN=470-02384-00
  R15: DNP=DNP
R9 R40 R189: library part 7806, "RES, 1M, 1%, 1/20W, 0201", Package=0201, Power=1/20W, Tolerance=1%, COMMON=470-00029-00, Gecko=470-00029-00, ID=7806, LOON=470-00029-00, MFG=PANASONIC, MFG P/N=ERJ1GEF1004C, Status=NRND, XPN=470-00029-00
  R189: DNP=DNP
R10 R12 R14 R16 R18 R19 R20 R26 R43 R44 R71 R75 R76 R78 R79 R84 R85 R86 R87 R91 R110 R132 R133 R137 R138 R365 R375 R1848: library part 8315, "RES, 0.0, 1/20W, 0201", Package=0201, Power=1/20W, Tolerance=JUMPER, COMMON=470-00013-00, Gecko=470-00013-00, ID=8315, LOON=470-00013-00, MFG=PANASONIC, MFG P/N=ERJ1GN0R00C, PROXY="Use ID #6940", Status=Released, XPN=470-00013-00
R11: library part 6216, "Resistor, 10.0M Ohms, 0402, 0.063W, ±1%", Package=0402, Power=1/16W, Supplier Part Number 1=311-10.0MLRCT-ND, Tolerance=1%, COMMON=470-09411-00, Height=0.40mm, ID=6216, MFG=YAGEO, MFG P/N=RC0402FR-0710ML, Status=Released, Supplier 1=Digi-Key, XPN=XS-10019877
R21 R53 R135: library part 6760, "RES, 100K, 1%, 1/20W, 0201", Package=0201, Power=1/20W, Tolerance=1%, COMMON=470-00506-00, DNP=DNP, Gecko=470-00506-00, ID=6760, LOON=470-00506-00, MFG=PANASONIC, MFG P/N=ERJ1GNF1003C, Status=Released, XPN=470-00506-00
R22: library part 7564, "RES, 0, JUMPER, 1/8W, 0805", Package=0805, Power=1/8W, Tolerance=5%, COMMON=470-00435-00, Gecko=470-17928-00, ID=7564, LOON=470-00435-00, MFG=YAGEO, MFG P/N=RC0805JR-070RL, Status=Released, XPN=470-00435-00
R29 R30 R37 R38 R39 R90 R139 R140 R141 R142 R143 R144 R145 R146 R147 R148 R149 R150 R397 R398: library part 6602, "RES, 4.7K, 5%, 1/20W, 0201", Package=0201, Power=1/20W, Tolerance=5%, COMMON=470-00012-00, Gecko=470-00012-00, ID=6602, LOON=470-00012-00, MFG=YAGEO, MFG P/N=RC0201JR-074K7L, Status=Released, XPN=470-00012-00
  R37 R90 R139 R140 R141 R142 R143 R144 R147 R148 R150 R397: DNP=DNP
R31: library part 6785, "RES, 100, 5%, 1/20W, 0201", Package=0201, Power=1/20W, Tolerance=5%, COMMON=470-00473-00, ID=6785, MFG=YAGEO, MFG P/N=RC0201JR-07100RL, Status=Released, XPN=470-00473-00
R32 R33 R34 R35 R36 R45: library part 8315, "RES, 0.0, 1/20W, 0201", Power=1/20W, Tolerance=JUMPER, COMMON=470-00013-00, Gecko=470-00013-00, ID=8315, LOON=470-00013-00, MFG=PANASONIC, MFG P/N=ERJ1GN0R00C, PROXY="Use ID #6940", Status=Released, XPN=470-00013-00
R41: library part 5484, "Resistor, 430K Ohms, 0201, 0.05W, ±1%", Package=0201, Power=1/20W, Supplier Part Number 1=P430KABCT-ND, Tolerance=1%, COMMON=470-08715-00, Gecko=470-08715-00, Height=0.26mm, ID=5484, LOON=470-08715-00, MFG=PANASONIC, MFG P/N=ERJ-1GEF4303C, Status=NRND, Supplier 1=Digi-Key, XPN=XS-10019223
R46 R47 R48 R49 R50 R51: library part 7086, "RES, 2.2K, 5%, 1/20W, 0201", Package=0201, Power=1/20W, Tolerance=5%, COMMON=470-00012-00, Gecko=470-00012-00, ID=6602, LOON=470-00012-00, MFG=YAGEO, MFG P/N=RC0201JR-074K7L, Status=Released, XPN=470-00012-00
R73 R74: library part 8374, "RES, 33K, 1%, 1/20W, 0201", Package=0201, Power=1/20W, Tolerance=1%, COMMON=470-00060-00, DNP=DNP, Gecko=470-00060-00, ID=8374, LOON=470-00060-00, MFG=YAGEO, MFG P/N=RC0201FR-0733KL, Status=Released, XPN=470-00060-00
R93 R99 R117 R194 R415 R416: library part 7159, "RES, 0.01, 5%, 1/4W, 0402", Package=0402, Power=1/4W, Tolerance=5%, COMMON=470-02385-00, Gecko=470-02385-00, ID=7159, LOON=470-02385-00, MFG=YAGEO, MFG P/N=PE0402JRF470R01L, Status=Released, XPN=470-02385-00
R151 R152 R153 R154 R155 R156 R157 R158 R159 R160 R161 R162: library part 6833, "RES, 47K, 5%, 1/20W, 0201", Package=0201, Power=1/20W, Tolerance=5%, COMMON=470-00003-00, Gecko=470-00003-00, ID=6833, LOON=470-00003-00, MFG=PANASONIC, MFG P/N=ERJ1GEJ473C, Status=NRND, XPN=470-00003-00
  R157 R158 R161: DNP=DNP
R163: library part 3866, "RES, 4.7K, 1%, 1/10W, 0402", Package=0402, Power=1/10W, Supplier Part Number 1=P4.70KLCT-ND, Tolerance=1%, COMMON=470-01775-00, DNP=DNP, Height=0.40mm, ID=3866, KOI=470-17107-00, MFG=PANASONIC, MFG P/N=ERJ-2RKF4701X, PROXY="Use ID #8133", Status=Released, Supplier 1=Digi-Key, XPN=470-01775-00
R164 R168 R169 R170 R171: library part 6318, "RES, 100, 5%, 1/16W, 0402, AUTO GRADE", Package=0402, Power=1/16W, Tolerance=5%, COMMON=470-02903-00, ID=6318, MFG=VISHAY, MFG P/N=CRCW0402100RJNED, Status=Released, XPN=470-02903-00
  R164: DNP=DNP
R396: library part 8000, "RES, 30K, 5%, 1/20W, 0201", Package=0201, Power=1/20W, Tolerance=5%, COMMON=470-00496-00, Gecko=470-00496-00, ID=8000, LOON=470-00496-00, MFG=PANASONIC, MFG P/N=ERJ1GEJ303C, Status=NRND, XPN=470-00496-00
R419: library part 6471, "RES, 1.0, 1%, 1/20W, 0201", Package=0201, Power=1/20W, Tolerance=1%, COMMON=470-00541-00, ID=6471, MFG="STACKPOLE ELECTRONICS", MFG P/N=RMCF0201FT1R00, Status=Released, XPN=XS-10012522
SW1: library part 227, "SW, SLIDE, SPDTx2, 100mA, 6VDC, 2-POS, ON-ON, GOLD, SMT", Operating Temperature="-40°C ~ 85°C", Supplier Part Number 1=CASD20JTR-ND, Voltage, Rated=6V, Category="Slide Switches", ComponentLink1Description=Datasheet, ComponentLink1URL=https://drive.google.com/file/d/1yHSGEBNR3CK8ELRyOJmK0djXwn1fRk_2/view, DNP=DNP, Features="Tape Seal", Height=2.5mm, HelpURL=https://www.digikey.com/en/products/detail/nidec-copal-electronics/CAS-D20TA/341665, ID=227, MFG="Nidec Copal Electronics", MFG P/N=CAS-D20TA, Mounting Type=SMD, RoHS Compliant=Yes, Status=Released, Supplier 1=Digi-Key
SW2: library part 205, "SW, TACT, SPST, 0.05A, 16VDC, OVAL ACTUATOR, SMD", Operating Temperature="-30°C ~ 85°C", Supplier Part Number 1=113-TAH-1QR, Voltage, Rated="16 VDC", Category="TACTILE SWITCH", ComponentLink1Description=Datasheet, ComponentLink1URL=https://drive.google.com/file/d/13CKM1hC869BRhfaIa7pbNI_rAmBVZshp/view, Height=2.7mm, HelpURL=https://www.mouser.com/ProductDetail/Diptronics/TAH-1QR?qs=%2Fha2pyFaduipOSvjgYeYPSjN0bL8fZLbb5mXZs85d5Y%3D, ID=205, MFG=Diptronics, MFG P/N=TAH-1QR, Mounting Type=SMD, RoHS Compliant=Yes, Status=Released, Supplier 1=Mouser
SW3: library part 224, "SW, TACT, SPST-NO, OFF-MOM, 0.05A, 12VDC, RA, EDGE MOUNT", Operating Temperature="-40°C ~ 85°C", Supplier Part Number 1=EG4963TR-ND, Category="Tactile Switches", ComponentLink1Description=Datasheet, ComponentLink1URL=http://spec_sheets.e-switch.com/specs/P004000.pdf, Height=1.35mm, HelpURL=https://www.digikey.com/en/products/detail/e-switch/TL4100AF120QG/2685028?s=N4IgTCBcDaICoBkAsBGADGgggMRWNAigOIgC6AvkA, ID=224, MFG=E-Switch, MFG P/N=TL4100AF120QG, Mounting Type=SMD, RoHS Compliant=Yes, Status=Released, Supplier 1=Digi-Key
TP1 TP2 TP3 TP4 TP5 TP6 TP7 TP8 TP9 TP10 TP11 TP12 TP13 TP14 TP15 TP16 TP17 TP18 TP19 TP20 TP21 TP22 TP23 TP24 TP25 TP26 TP27 TP30 TP31 TP39 TP45: library part 178, "TESTPAD_SMT_30MIL", ComponentLink1URL="_PCB Feature", ID=178, MFG="_PCB Feature", Status=Released